# Allegro board Mic_Array_main_250pcs_release.brd (continued)
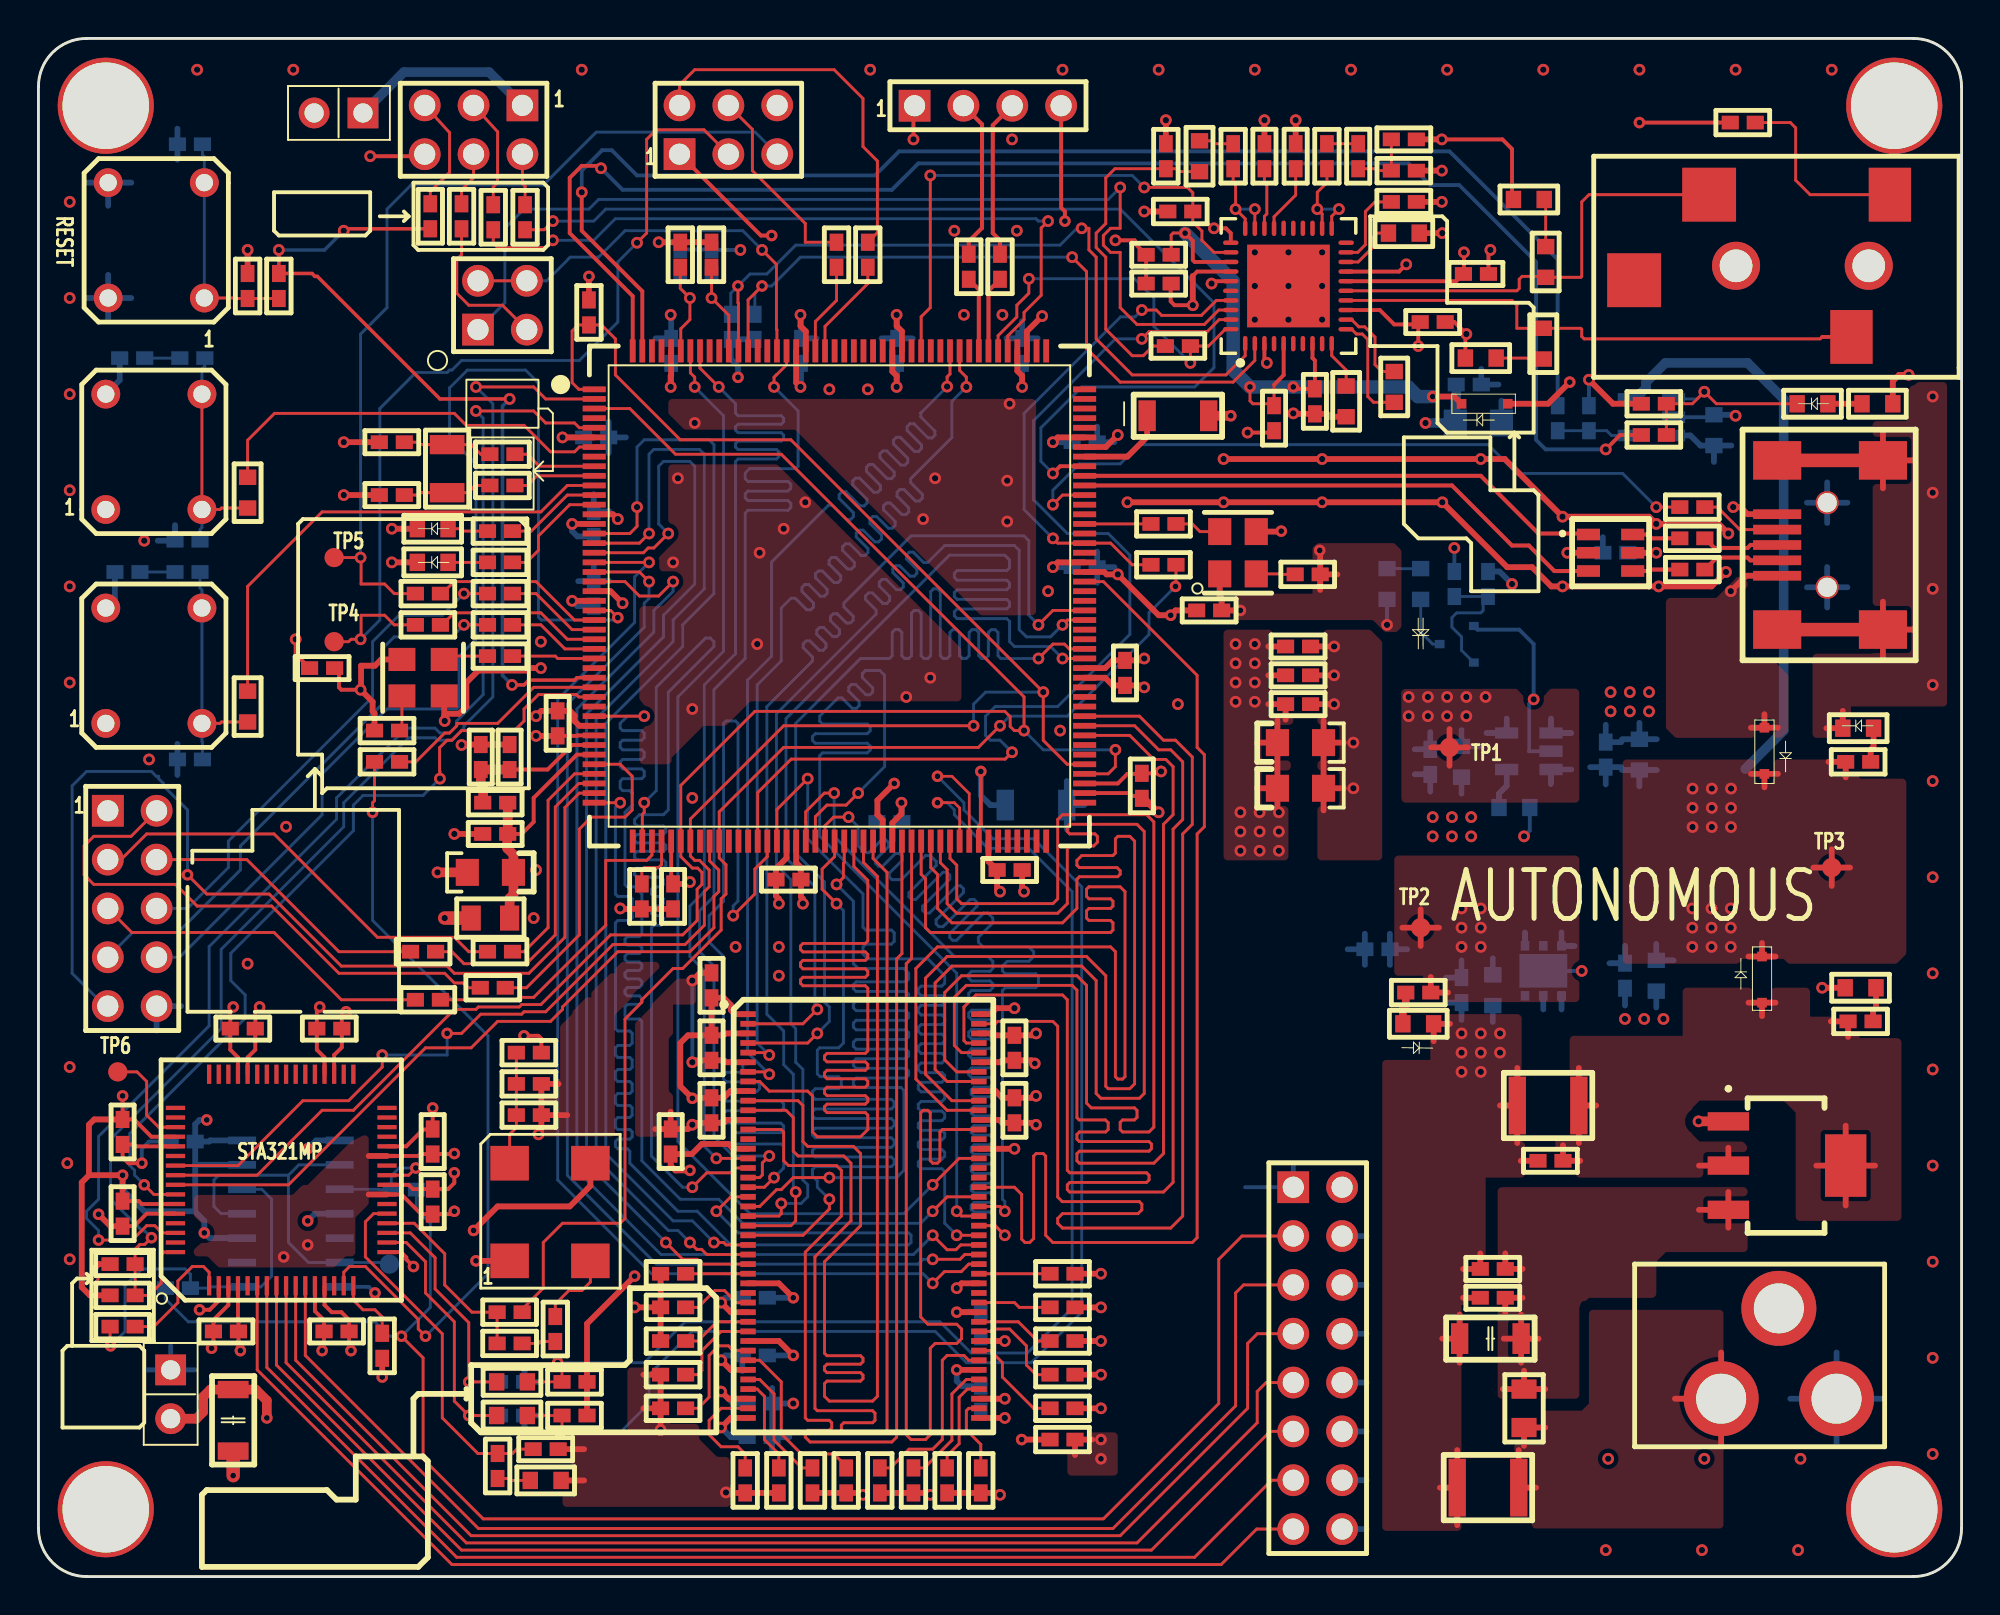
[diagram p0: board, top side]
## Footprints (pads in the part's own frame, mm; a bottom-side part is the same pattern mirrored in y, then rotated) (continued)
OSC112896
  rect 1.8x2 smd: 1(0,0) 2(5.08,0) 3(5.08,4.2) 4(0,4.2)
PUSHBUTTON_4_09
  round 1.5 hole 0.9: 1(-3,2.5) 2(-3,-2.5) 3(3,-2.5) 4(3,2.5)
QFN_40_6X6
  oval 0.8x0.23 smd: 1(-3,2.25) 2(-3,1.75) 3(-3,1.25) 4(-3,0.75) 5(-3,0.25) 6(-3,-0.25) 7(-3,-0.75) 8(-3,-1.25) 9(-3,-1.75) 10(-3,-2.25) 21(3,-2.25) 22(3,-1.75) 23(3,-1.25) 24(3,-0.75) 25(3,-0.25) 26(3,0.25) 27(3,0.75) 28(3,1.25) 29(3,1.75) 30(3,2.25)
  oval 0.23x0.8 smd: 11(-2.25,-3) 12(-1.75,-3) 13(-1.25,-3) 14(-0.75,-3) 15(-0.25,-3) 16(0.25,-3) 17(0.75,-3) 18(1.25,-3) 19(1.75,-3) 20(2.25,-3) 31(2.25,3) 32(1.75,3) 33(1.25,3) 34(0.75,3) 35(0.25,3) 36(-0.25,3) 37(-0.75,3) 38(-1.25,3) 39(-1.75,3) 40(-2.25,3)
  rect 4.3x4.3 smd: 41(0,0)
RES_SMD_0402
  rect 0.889x0.711 smd: 1(-0.65,0) 2(0.65,0)
RES_SMD_0603
  rect 0.8x0.9 smd: 1(-0.8,0) 2(0.8,0)
SOT23
  rect 0.508x0.432 smd: 1(-0.889,0.94) 2(-0.889,-0.965) 3(0.889,0)
SOT23_6L
  rect 0.6x1.2 smd: 1(-0.95,-1.15) 2(0,-1.15) 3(0.95,-1.15) 4(0.95,1.15) 5(0,1.15) 6(-0.95,1.15)
SOT235L
  rect 0.6x1.2 smd: 1(-0.9,1.15) 2(0.05,1.15) 3(1,1.15) 4(-0.9,-1.15) 5(1,-1.15)
SOT_223
  rect 0.95x2.15 smd: 1(-2.3,-3) 2(0,-3) 3(2.3,-3)
  rect 3.25x2.15 smd: 4(0,3.1)
STA321
  rect 0.22x1 smd: 1(0,-0.5) 2(0.5,-0.5) 3(1,-0.5) 4(1.5,-0.5) 5(2,-0.5) 6(2.5,-0.5) 7(3,-0.5) 8(3.5,-0.5) 9(4,-0.5) 10(4.5,-0.5) 11(5,-0.5) 12(5.5,-0.5) 13(6,-0.5) 14(6.5,-0.5) 15(7,-0.5) 16(7.5,-0.5) 33(7.5,10.5) 34(7,10.5) 35(6.5,10.5) 36(6,10.5) 37(5.5,10.5) 38(5,10.5) 39(4.5,10.5) 40(4,10.5) 41(3.5,10.5) 42(3,10.5) 43(2.5,10.5) 44(2,10.5) 45(1.5,10.5) 46(1,10.5) 47(0.5,10.5) 48(0,10.5)
  rect 1x0.22 smd: 17(9.25,1.25) 18(9.25,1.75) 19(9.25,2.25) 20(9.25,2.75) 21(9.25,3.25) 22(9.25,3.75) 23(9.25,4.25) 24(9.25,4.75) 25(9.25,5.25) 26(9.25,5.75) 27(9.25,6.25) 28(9.25,6.75) 29(9.25,7.25) 30(9.25,7.75) 31(9.25,8.25) 32(9.25,8.75) 49(-1.75,8.75) 50(-1.75,8.25) 51(-1.75,7.75) 52(-1.75,7.25) 53(-1.75,6.75) 54(-1.75,6.25) 55(-1.75,5.75) 56(-1.75,5.25) 57(-1.75,4.75) 58(-1.75,4.25) 59(-1.75,3.75) 60(-1.75,3.25) 61(-1.75,2.75) 62(-1.75,2.25) 63(-1.75,1.75) 64(-1.75,1.25)
TEST_PAD1
  round 1 smd: 1(0,0)
TSOPII_86_22X12
  rect 0.8x0.3 smd: 1(-6,10.5) 2(-6,10) 3(-6,9.5) 4(-6,9) 5(-6,8.5) 6(-6,8) 7(-6,7.5) 8(-6,7) 9(-6,6.5) 10(-6,6) 11(-6,5.5) 12(-6,5) 13(-6,4.5) 14(-6,4) 15(-6,3.5) 16(-6,3) 17(-6,2.5) 18(-6,2) 19(-6,1.5) 20(-6,1) 21(-6,0.5) 22(-6,0) 23(-6,-0.5) 24(-6,-1) 25(-6,-1.5) 26(-6,-2) 27(-6,-2.5) 28(-6,-3) 29(-6,-3.5) 30(-6,-4) 31(-6,-4.5) 32(-6,-5) 33(-6,-5.5) 34(-6,-6) 35(-6,-6.5) 36(-6,-7) 37(-6,-7.5) 38(-6,-8) 39(-6,-8.5) 40(-6,-9) 41(-6,-9.5) 42(-6,-10) 43(-6,-10.5) 44(6,-10.5) 45(6,-10) 46(6,-9.5) 47(6,-9) 48(6,-8.5) 49(6,-8) 50(6,-7.5) 51(6,-7) 52(6,-6.5) 53(6,-6) 54(6,-5.5) 55(6,-5) 56(6,-4.5) 57(6,-4) 58(6,-3.5) 59(6,-3) 60(6,-2.5) 61(6,-2) 62(6,-1.5) 63(6,-1) 64(6,-0.5) 65(6,0) 66(6,0.5) 67(6,1) 68(6,1.5) 69(6,2) 70(6,2.5) 71(6,3) 72(6,3.5) 73(6,4) 74(6,4.5) 75(6,5) 76(6,5.5) 77(6,6) 78(6,6.5) 79(6,7) 80(6,7.5) 81(6,8) 82(6,8.5) 83(6,9) 84(6,9.5) 85(6,10) 86(6,10.5)
unnamed#2
  round 5 hole 4.5: (3.5,76.5) (3.5,3.5) (96.5,76.5) (96.5,3.5)
XTAL_32MHZ
  rect 1x1.8 smd: 1(-1.25,0) 2(1.25,0)

## Nets
2.5V: C8.1 C11.1 C62.1 C63.1 C64.1 C65.1 C66.1 TP1.1 U1.5(VOUT) U9.13(+VHP) U9.16(VA) U9.34(VD)
3.3V: C13.1 C16.1 C26.2 C100.1 C101.2 D10.2(A) J3.4 J5.1 JP1.2 R14.1 R20.1 R21.1 R22.1 R24.2 R31.1 R36.1 R53.2 R59.2 R66.2 R101.2 R110.2 R111.1 R119.1 TP2.1 U2.4(VO) X2.4(VDD) X3.4(VDD)
3.3V DDR: C69.2 C70.2 C71.2 C76.2 C77.2 C78.2 C79.2 C80.2 C81.2 C82.2 C83.2 C84.2 R110.1 U10.1(VDD0) U10.3(VDDQ0) U10.9(VDDQ1) U10.15(VDD1) U10.29(VDD2) U10.35(VDDQ2) U10.41(VDDQ3) U10.43(VDD3) U10.49(VDDQ4) U10.55(VDDQ5) U10.75(VDDQ6) U10.81(VDDQ7)
3.3V_STA: C85.1 C86.2 C87.2 C88.2 C90.2 C91.2 C92.2 C93.1 C102.2 J6.1 JP1.1 R96.1 U12.3(VDD1) U12.12(VDD2) U12.24(VDD3) U12.28(VDD4) U12.35(VDD5) U12.44(VDD6) U12.52(VDD7) U12.59(VDD8) U14.1(C\L\R\1\) U14.4(P\R\1\) U14.10(P\R\2\) U14.13(C\L\R\2\) U14.14(3V3) X4.4
3V: C56.2 C57.2 C68.1 D10.1(K) U9.5(VP#5) U9.8(VP#8) U9.33(VL)
5V: C7.1 C9.1 C12.1 C15.1 D4.1(K) D7.1(K) J1.1 JP3.2 R32.2 TP3.1 U1.1(VIN) U1.3(INH) U2.1(EN) U2.6(VI) U11.5(IN)
5V_EXT: C22.1 C23.1 D7.2(A) R29.2 U7.2(VOUT) U7.4(TAB)
12V: C18.1 L1.1 U6.1
GND: C2.2 C3.1 C5.2 C7.2 C8.2 C9.2 C10.2 C11.2 C12.2 C13.2 C14.2 C15.2 C16.2 C17.1 C18.2 C19.2 C20.2 C21.2 C22.2 C23.2 C24.1 C25.1 C26.1 C27.2 C28.2 C29.2 C30.2 C31.2 C32.2 C33.2 C34.2 C35.2 C36.2 C37.2 C38.2 C39.2 C40.2 C41.2 C42.2 C43.2 C44.2 C45.2 C46.2 C47.1 C48.2 C49.2 C50.2 C51.1 C52.2 C53.2 C56.1 C57.1 C58.2 C61.1 C62.2 C63.2 C64.2 C65.2 C66.2 C68.2 C69.1 C70.1 C71.1 C72.2 C73.2 C74.2 C75.2 C76.1 C77.1 C78.1 C79.1 C80.1 C81.1 C82.1 C83.1 C84.1 C85.2 C86.1 C87.1 C88.1 C89.2 C90.1 C91.1 C92.1 C93.2 C100.2 C101.1 C102.1 C103.1 C104.1 D2.1(CATHODE) D3.1(CATHODE) D6.1(CATHODE) D8.1(CATHODE) D9.1(CATHODE) J1.10 J2.6 J3.1 J5.6 J6.4 J6.6 J6.8 J6.10 J6.12 J6.14 J6.16 Q1.1(E) R9.2 R19.2 R33.1 R52.2 R55.2 R57.2 R68.1 R69.1 R70.1 R71.1 R72.1 R73.1 R74.1 R75.1 R76.1 R77.1 R78.1 R79.1 R80.1 R81.1 R82.1 R83.1 R84.1 R85.1 R86.1 R87.1 R90.2 R91.2 R92.2 R93.2 R99.1 R102.2 R114.1 SW3.2 SW3.3 U1.2(GND) U2.2(GND1) U2.7(GND2) U4.5(GND) U4.6(SHIELD1) U4.7(SHIELD2) U4.8(SHIELD3) U4.9(SHIELD4) U4.10(SHIELD5) U4.11(SHIELD6) U5.2(GND) U6.2 U7.1(GND) U8.14(VSS1) U8.22(VSS2) U8.37(VSSA) U8.61(VSS3) U8.71(VSS4) U8.90(VSS5) U8.102(VSS6) U8.113(VSS7) U8.126(VSS8) U8.135(VSS9) U8.148(VSS10) U8.158(VSS11) U9.3(AD0) U9.17(AGND) U9.31(SPKR/HP) U9.35(DGND) U9.41(GND/THERMAL PAD) U10.6(VSSQ0) U10.12(VSSQ1) U10.32(VSSQ2) U10.38(VSSQ3) U10.44(VSS0) U10.46(VSSQ4) U10.52(VSSQ5) U10.58(VSS1) U10.72(VSS2) U10.78(VSSQ6) U10.84(VSSQ7) U10.86(VSS3) U11.2(GND) U12.2(RESERVED(GND)) U12.4(GND1) U12.13(GND2) U12.17(SA) U12.23(GND3) U12.27(GND4) U12.36(GND5) U12.45(GND6) U12.53(GND7) U12.60(GND8) U14.7(GND) X2.2(GND) X3.2(GND) X4.2
VCC: J2.1 JP3.1
VDD: C27.1 C28.1 C29.1 C30.1 C31.1 C32.1 C33.1 C34.1 C35.1 C36.1 C37.1 C38.1 C39.1 C40.1 C41.1 C42.1 C43.1 C44.1 C45.1 C48.1 C49.1 L2.1 R3.2 R11.2 R66.1 R97.2 R98.2 R116.2 R117.2 SW1.1 SW1.4 SW2.1 SW2.4 U8.6(VBAT) U8.15(VDD1) U8.23(VDD2) U8.36(VDD3) U8.49(VDD4) U8.62(VDD5) U8.72(VDD6) U8.82(VDD7) U8.91(VDD8) U8.103(VDD9) U8.114(VDDUSB) U8.127(VDD10) U8.136(VDD11) U8.149(VDD12) U8.159(VDD13) U8.172(VDD14)
VDDA: C50.1 C51.2 L2.2 R67.2 U8.39(VDDA)
BICKO: R119.2 U8.1(PE2/SPI4_SCK) U8.51(PA5/BICKO) U8.93(PB13/I2S2_CK) U12.55(BIKO)
CKOUT: R107.1 U12.25(CKOUT) U14.3(CLK1)
CKOUT_4: R105.2 R106.1 U14.8(2Q\) U14.12(D2)
FMC_A0: U8.16(PF0) U10.25(A0)
FMC_A1: U8.17(PF1) U10.26(A1)
FMC_A2: U8.18(PF2) U10.27(A2)
FMC_A3: U8.19(PF3) U10.60(A3)
FMC_A4: U8.20(PF4) U10.61(A4)
FMC_A5: U8.21(PF5) U10.62(A5)
FMC_A6: U8.60(PF12) U10.63(A6)
FMC_A7: U8.63(PF13) U10.64(A7)
FMC_A8: U8.64(PF14) U10.65(A8)
FMC_A9: U8.65(PF15) U10.66(A9)
FMC_A10: U8.66(PG0) U10.24(A10)
FMC_A11: U8.67(PG1) U10.21(A11)
FMC_BA0: U8.108(PG4) U10.22(BA0)
FMC_BA1: U8.109(PG5) U10.23(BA1)
FMC_D0: U8.104(PD14) U10.2(DQ0)
FMC_D1: U8.105(PD15) U10.4(DQ1)
FMC_D2: U8.142(PD0) U10.5(DQ2)
FMC_D3: U8.143(PD1) U10.7(DQ3)
FMC_D4: U8.68(PE7) U10.8(DQ4)
FMC_D5: U8.69(PE8) U10.10(DQ5)
FMC_D6: U8.70(PE9) U10.11(DQ6)
FMC_D7: U8.73(PE10) U10.13(DQ7)
FMC_D8: U8.74(PE11) U10.74(DQ8)
FMC_D9: U8.75(PE12) U10.76(DQ9)
FMC_D10: U8.76(PE13) U10.77(DQ10)
FMC_D11: U8.77(PE14) U10.79(DQ11)
FMC_D12: U8.78(PE15) U10.80(DQ12)
FMC_D13: U8.96(PD8) U10.82(DQ13)
FMC_D14: U8.97(PD9) U10.83(DQ14)
FMC_D15: U8.98(PD10) U10.85(DQ15)
FMC_NBL0: U8.169(PE0) U10.16(DQM0)
FMC_NBL1: U8.170(PE1) U10.71(DQM1)
FMC_SDCKE0: U8.35(PC3) U10.67(CKE)
FMC_SDCLK: U8.112(PG8) U10.68(CLK)
FMC_SDNCAS: U8.160(PG15) U10.18(CAS#)
FMC_SDNE0: U8.44(PH3) U10.20(CS#)
FMC_SDNRAS: U8.59(PF11) U10.19(RAS#)
FMC_SDNWE: U8.46(PH5) U10.17(WE#)
I2C2_SCL: R12.1 R116.1 U8.79(PB10/I2C2_SCL)
I2C2_SDA: R13.2 R117.1 U8.80(PB11/I2C2_SDA)
I2S2_CKIN: R115.1 X3.3(OUT)
LED_USER1: R64.2 U8.12(PI10)
LED_USER2: R65.2 U8.13(PI11)
LRCKO: U8.3(PE4) U8.50(PA4) U8.92(PB12) U12.56(LRCKO)
MCLK: R95.2 R104.2 U8.54(PC4)
MIC_CK: J6.3 R106.2 R107.2
MIC_DATA1: J6.5 U12.11(PDMIN_1)
MIC_DATA2: J6.7 U12.10(PDMIN_2)
MIC_DATA3: J6.9 U12.9(PDMIN_3)
MIC_DATA4: J6.11 U12.8(PDMIN_4)
MIC_DATA5: J6.13 U12.7(PDMIN_5)
MIC_DATA6: J6.15 U12.6(PDMIN_6)
NRST: R5.2 R16.1 U8.31(NRST)
OSC25M: R49.1 X2.3(OUT)
OSC32_IN: R34.2 U8.9(PC14- OSC32_I N(PC14))
OSC32_OUT: R35.2 U8.10(PC15- OSC32_ OUT(PC15))
OSC_CLK: R100.2 R103.2
OTG_FS_OVERCURRENT: R23.2 U8.176(PI7)
OTG_FS_POWERSWITCHON: R25.1 U8.175(PI6)
PA0: J1.2 R37.1
PA1: J1.3 R40.1
PA2: J1.4 R41.1
PA3: J1.5 R43.1
PA15: R89.2 U8.138(PA15(JT DI)) U9.40(LRCK)
PB2: U8.58(PB2) U9.39(SDIN)
PB3: JP2.1 U9.38(SCLK)
PB6: R97.1 U8.164(PB6/I2C1_SCL) U9.2(SCL)
PB7: R98.1 U8.165(PB7/I2C1_SDA) U9.1(SDA)
PC7: R95.1 U8.116(PC7) U9.37(MCLK)
PC10: R8.1 U8.139(PC10)
PC11: R10.1 U8.140(PC11)
PC12: U8.141(PC12)
PD4: R87.2 U8.146(PD4) U9.32(R\E\S\E\T\)
PDM_CLK: R105.1 U12.1(PDM_CLK)
PF6: J1.8 U8.24(PF6)
PF8: J1.6 R61.2
PF10: J1.7 R63.2
PH2: J1.9 U8.43(PH2)
PI8: R18.1 U8.7(PI8)
PI9: R7.1 U8.11(PI9)
PWDN: C89.1 R96.2 U8.2(PE3) U12.64(P\W\D\)
SDO_12: U8.53(PA7/SDO12) U12.57(SDO_12)
SDO_34: U8.33(PC1) U12.58(SDO_34)
SDO_56: U8.5(PE6/SPI4_MISO) U12.62(SDO_56)
SPI5_CK: J5.5 R54.2 TP5.1
SPI5_MOSI: J5.3 R56.2 TP4.1
SPI6_CK: J5.2 R44.2
SPI6_MOSI: J5.4 R46.2
STA_RESET: R118.2 U12.15(R\E\S\E\T\)
SWCLK: R2.2 U8.137(PA14(JT CK- SWCLK))
SWDIO: R1.2 U8.124(PA13(JTMS-SWDIO))
SWO: JP2.3 R4.2
U5V_USB: C14.1 C17.2 D4.2(A) R30.1 U4.1(VCC) U5.5(VBUS) U11.1(OUT)
UART4_RX: J3.2 R10.2
UART4_TX: J3.3 R8.2
USB_FS1_N: R26.1 U4.2(D+)
USB_FS1_P: R27.1 U4.3(D-)
USB_OTG_FS_DM: U5.3(I2) U8.122(PA11)
USB_OTG_FS_DP: U5.1(I1) U8.123(PA12)
USB_OTG_FS_ID: R28.2 U8.121(PA10)
VREF: C52.1 C53.1 R67.1 U8.38(VREF+)
XTI: R103.1 R104.1 U12.20(XTI)
N115879: C24.2 R34.1 X1.2
N115893: C25.2 R35.1 X1.1
N117103: R36.2 X2.1(EN)
N162834: R52.1 R53.1 U8.166(BOOT)
N163230: R57.1 R59.1 U8.171(PDR_ON)
N206390: JP2.2 JP2.4 U8.161(PB3/I2S3_CK)
N226705: C10.1 U1.4(BYPASS)
N233294: D2.2(ANODE) R24.1
N238541: D5.1(CATHODE) Q1.3(C)
N238552: Q1.2(B) R30.2 R33.2
N238566: D5.2(ANODE) R31.2
N241763: R26.2 U5.4(O1)
N241767: R27.2 U5.6(O2)
N242760: R28.1 U4.4(ID)
N248007: C55.2 CN1.2 U9.15(HP/LINE_OUTA)
N248035: C54.2 CN1.3 U9.14(HP/LINE_OUTB)
N248189: CN1.1 R84.2
N248225: R88.1 U9.29(AIN1A) U9.30(AIN1B)
N248229: C60.1 R88.2
N248233: C60.2 R89.1 R92.1
N248303: C58.1 U9.10(-VHPFILT)
N248307: C59.1 U9.11(FLYN)
N248311: C59.2 U9.12(FLYP)
N248571: C54.1 R75.2
N248575: C55.1 R76.2
N248601: R94.1 U9.21(AIN4A) U9.22(AIN4B)
N248611: C67.1 R94.2
N248615: C61.2 C67.2 R93.1
N248679: C75.1 U9.19(VQ)
N248687: C74.1 U9.28(AFILTB)
N248695: C73.1 U9.27(AFILTA)
N248703: C72.1 U9.18(FILT+)
N260798: C46.1 U8.125(VCAP_2)
N260805: C47.2 U8.81(VCAP_1)
N264179: D1.1(CATHODE) R21.2 R23.1 U11.3(F\A\U\L\T\)
N264257: D1.2(ANODE) R20.2
N265526: R22.2 R25.2 U11.4(E\N\)
N266142: D6.2(ANODE) R32.1
N294693: R55.1 U8.48(BYPASS_REG)
N298204: R49.2 U8.29(PH0- OSC_IN( PH0))
N307670: R54.1 U8.25(PF7)
N313164: R40.2 U8.41(PA1)
N313168: R41.2 U8.42(PA2)
N313176: R43.2 U8.47(PA3)
N314492: R61.1 U8.26(PF8)
N314496: R56.1 U8.27(PF9)
N314500: R63.1 U8.28(PF10)
N343193: R37.2 U8.40(PA0- WKUP(P A0))
N345423: C1.2 R7.2 R9.1 SW1.2 SW1.3
N345707: C1.1 R3.1
N346106: C4.2 R18.2 R19.1 SW2.2 SW2.3
N346154: C4.1 R11.1
N347566: D8.2(ANODE) R64.1
N347570: D9.2(ANODE) R65.1
N380637: C19.1 C20.1 C21.1 L1.2 U7.3(VIN)
N384702: D3.2(ANODE) R29.1
N392150: C5.1 R14.2 R16.2 SW3.1 SW3.4
N398183: C2.1 R12.2 U12.19(SCL)
N398229: C3.2 R13.1 U12.18(SDA)
N401733: R44.1 U8.156(PG13)
N401749: R46.1 U8.157(PG14)
N404005: R90.1 U10.59(DQM3)
N404009: R91.1 U10.28(DQM2)
N414682: R85.2 U10.33(DQ17)
N414689: R83.2 U10.34(DQ18)
N414717: R82.2 U10.36(DQ19)
N414729: R81.2 U10.37(DQ20)
N414741: R80.2 U10.39(DQ21)
N414753: R79.2 U10.40(DQ22)
N414765: R78.2 U10.42(DQ23)
N414777: R77.2 U10.45(DQ24)
N414789: R74.2 U10.47(DQ25)
N414891: R86.2 U10.31(DQ16)
N414986: R73.2 U10.48(DQ26)
N414998: R72.2 U10.50(DQ27)
N415010: R71.2 U10.51(DQ28)
N415031: R70.2 U10.53(DQ29)
N415042: R69.2 U10.54(DQ30)
N415068: R68.2 U10.56(DQ31)
N500901: J2.2 R1.1
N500913: J2.3 R2.1
N500925: J2.4 R4.1
N500937: J2.5 R5.1
N801153: R99.2 R101.1 R102.1 X4.1
N801177: R100.1 X4.3
N846467: R111.2 X3.1(EN)
N856976: TP6.1 U12.51(EAPD)
N860674: C103.2 R112.2 U12.21(PLLF)
N860799: C104.2 R112.1
N867055: R114.2 U12.16(RESERVED1(GND))
N892239: R115.2 U8.118(PC9)
N898566: TP7.1 U14.2(D1) U14.6(Q\1\) U14.11(CLK2)
N941023: R118.1 U8.32(PC0)

Pads without a net: CN1 4; J6 2; U2 3 5; U6 3; U8 4 8 30 34 45 52 55 56 57 83 84 85 86 87 88 89 94 95 99 100 101 106 107 110 111 115 117 119 120 128 129 130 131 132 133 134 144 145 147 150 151 152 153 154 155 162 163 167 168 173 174; U9 4 6 7 9 20 23 24 25 26 36; U10 14 30 57 69 70 73; U12 5 14 22 26 29 30 31 32 33 34 37 38 39 40 41 42 43 46 47 48 49 50 54 61 63; U14 5 9

## Via types
v1: diameter 0.6, hole 0.3, TOP to BOTTOM, 84 vias
v2: diameter 0.61, hole 0.33, TOP to BOTTOM, 380 vias

## Routing (per net, layer and track width the routed paths; a pad name or vN(x,y) marks a point on that pad's centre or on a via; arc(x,y) is an arc through that point)
2.5V: length 31.2
  TOP w0.2: v2(60.03,66.12) 59.08,66.12 58.88,66.33 58.88,67.22 C62.1 ; 60.03,67.65 60.25,67.88 U9.34 ; U9.13 69.75,65.88 70.5,65.12 71.72,65.12 71.75,65.15 ; 71.75,65.15 v2(71.75,64) ; 71.75,65.15 C65.1 ; v2(74.12,68.88) 74.12,67.78 C63.1 73.72,67.38 U9.16
  TOP w0.3: TP1.1 73.38,44.08 ; TP1.1 74.33,43.12 ; TP1.1 72.42,43.12 ; TP1.1 73.38,42.17 ; 60.03,67.65 v2(60.03,66.12)
  BOTTOM w0.3: 76.35,44.63 U1.5 75.3,43.88 ; 71.57,43.03 C11.1 72.38,43.92 ; 74,44.03 C8.1 74.9,43.17
  BOTTOM w0.5: C66.1 73.72,61.27 73.67,61.22 C64.1 v2(72.12,60)
  vias: v2(71.25,45.75) v2(71.25,44.75) v2(72.25,45.75) v2(72.25,44.75) v2(73.25,45.75) v2(73.25,44.75) v2(74.25,45.75) v2(74.25,44.75) v2(75.25,45.75)
3.3V: length 66.1
  TOP w0.2: J3.4 53.18,71.2 53.38,71 v1(53.38,70.5) ; C26.2 15.62,47.03 15.62,46.25 15.75,46.12 v2(16.75,46.12) ; v1(38.12,69.75) 37.56,69.75 J5.1 ; R101.2 26.15,27.97 26,28.12 v1(25.25,28.12)
  TOP w0.3: D10.2 78.5,61 v1(79.62,62.12) ; 71.88,32.8 TP2.1 ; TP2.1 72.83,33.75 ; TP2.1 71.88,34.7 ; TP2.1 70.92,33.75 ; 66.65,51.32 R111.1 ; R111.1 67.55,52.12 ; R111.1 66.65,53.35 v1(66.62,53.38) ; 62.42,50.25 C101.2 61.53,50.88 61.42,50.98 X3.4 ; X2.4 17.82,47.7 17.5,47.38 16.78,47.38 16.78,46.15 v2(16.75,46.12) 17.38,45.5 17.38,45 17.47,44.9 R36.1 ; 54.8,7.12 R110.2 53.9,6.32 ; v2(80.62,62.25) 81.88,61 R21.1 ; 72.4,31.18 R24.2 73.3,30.38 ; v2(97.25,62.5) 96.75,62.5 96.42,62.17 R20.1 ; R14.1 v2(10.88,69) ; R119.1 v1(28.62,67.62)
  TOP w0.5: JP1.2 8.21,8.21 8.56,8.56 8.56,9.31 8.55,9.33 8.94,9.72 C100.1 11.3,9.72 11.88,9.15 v1(11.88,8.25) ; J5.1 33.34,74.23
  BOTTOM w0.2: R22.1 v2(80.62,62.25) ; v2(70.12,49.5) R31.1 ; R59.2 R53.2 35.03,69 v2(36.5,69)
  BOTTOM w0.3: 73.19,31.15 C13.1 74,32.05 ; R66.2 70.28,33.43 ; R66.2 71.17,32.62 ; R66.2 70.28,31.82 ; U2.4 77.3,33.5 ; C16.1 75.62,32.15
  vias: v1(55.25,7.12) v1(55.25,6.12) v1(62.5,50.25) v2(74,34.75) v2(74,33.75) v2(74,32.75) v2(75,34.75) v2(75,33.75) v2(75,32.75)
3.3V DDR: length 47.7
  TOP w0.3: U10.41 35.88,9.25 v1(35.5,9.62) ; U10.35 38.5,12.25 v1(39.25,11.5) ; v1(51.81,26.69) 51.65,26.85 C81.2 50.12,26.85 50.02,26.75 U10.81 ; v1(51.88,23.5) 51.78,23.6 C84.2 50.12,23.6 49.97,23.75 U10.75 ; C69.2 33.78,28.15 33.38,27.75 33.38,25.5 v1(34,24.88) 34.03,24.9 C82.2 35.63,24.9 35.98,25.25 U10.9 ; C69.2 C80.2 35.63,30.1 36,29.73 36,29.47 36.22,29.25 U10.1 ; C69.2 35.63,28.15 35.73,28.25 U10.3 ; R110.1 v1(51.12,7.12) ; v1(33.88,21.12) 33.12,21.12 32.88,21.38 C83.2 33.97,21.97 34.5,22.5 35.88,22.5 36.12,22.25 U10.15 ; U10.49 v1(47.75,10.75) ; U10.55 v1(47.75,13.75) ; v1(39.25,14.5) 38.5,15.25 U10.29 ; v1(35.5,7.75) 36,8.25 U10.43
  BOTTOM w0.3: C77.2 v1(39.25,14.5) ; C78.2 48.02,9.9 47.75,10.17 v1(47.75,10.75) ; C79.2 48.35,13.78 48.33,13.75 v1(47.75,13.75) ; C70.2 36,7.25 v1(35.5,7.75) ; C76.2 v1(39.25,11.5) ; C71.2 36.12,9 v1(35.5,9.62)
  vias: v2(36.25,32.75) v2(38.5,32.75) v2(38.5,31.25)
3.3V_STA: length 85.5
  TOP w0.2: U12.52 5.88,22.88 4.97,23.78 C91.2 v1(4.38,25) ; C92.2 5.22,19.53 5.38,19.38 U12.59 ; U12.3 9.88,14.12 9.1,13.35 C85.1 9.1,11.97 v1(9,11.88) ; U12.12 14.38,13.81 14.85,13.33 C93.1 14.85,11.85 v1(14.75,11.75) ; v1(11.5,29.62) 11.28,29.4 C90.2 11.28,27.4 10.88,27 U12.44 ; v1(20.5,24.38) C88.2 20.47,23.25 20,23.25 19.12,22.38 U12.28 ; v1(21.62,21) 21.62,20.47 21.3,20.15 C87.2 19.47,20.15 19.25,20.38 U12.24 ; U12.35 15.38,27.12 15.78,27.53 C86.2 15.78,29.4 15.88,29.4 15.88,29.38 v1(16,29.38)
  TOP w0.3: 2.62,20.88 v1(4.38,20.88) C92.2 ; 2.62,20.88 2.25,20.5 2.25,15.05 2.67,14.62 R96.1 ; 2.62,20.88 2.62,23.5 2.9,23.78 C91.2 ; v1(22.62,18) 23.88,19.25 27.63,19.25 28.7,20.32 X4.4
  INT_LAYER3 w0.25: 8.08,10.75 JP1.1 6.88,11.95
  BOTTOM w0.2: J6.1 62.75,20.25
  BOTTOM w0.25: 5.62,10.75 JP1.1 ; JP1.1 8.13,10.75 ; JP1.1 6.88,12 ; J6.1 65.25,21.53
  BOTTOM w0.3: 8.15,21.41 8.15,19 8.12,19 ; 8.15,21.41 C102.2 ; 8.15,21.41 U14.13 ; 8.12,19 5.5,19 4.38,20.12 v1(4.38,20.88) ; 8.12,19 8.62,18.5 v1(8.62,17.88) 8.89,17.61 U14.10 ; v1(8.75,23.75) 8.38,23.75 8.15,23.53 C102.2 ; C102.2 8.87,22.62 8.93,22.68 U14.14 ; U14.1 14.44,22.68 v1(14,22.25) ; U14.4 14.38,18.88 v1(14,18.5)
3V: length 35.2
  TOP w0.15: v1(59.62,69.88) 59.62,69.88 59.01,69.88 58.9,69.78 C68.1 ; 64.25,61.99 C56.2 64.15,61 63.15,61 63,61.15 v1(63,61.88)
  TOP w0.2: 64.25,61.99 64.75,62.49 U9.5 ; v1(59.62,69.88) 60.03,69.47 60.03,68.47 60.12,68.38 U9.33 ; v1(65.25,61.88) 65.35,61.78 C57.2 66.38,63.25 66.25,63.38 U9.8
  TOP w0.3: D10.1 73.62,61.38 v1(72.5,61.38)
  BOTTOM w0.7: v1(72.5,61.38) 71.72,61.38 71.22,61.88 v1(65.25,61.88) v1(63,61.88) 62.12,62.75 62.12,67.38 v1(59.62,69.88)
5V: length 60
  TOP w0.3: 93.25,35.92 TP3.1 ; TP3.1 92.3,36.88 ; TP3.1 93.25,37.83 ; TP3.1 94.2,36.88 ; D7.1 89.62,32.95 ; D7.1 88.92,32.25 ; D7.1 90.33,32.25 ; 89.75,41.05 D4.1 ; D4.1 90.45,41.75 ; D4.1 89.05,41.75 ; 93.08,42.38 R32.2 93.97,41.57
  INT_LAYER3 w0.3: 14.34,74.92 JP3.2 ; JP3.2 14.34,77.33 ; JP3.2 13.13,76.12 ; 3.6,41.11 J1.1 2.33,39.83
  BOTTOM w0.3: 81.69,31.9 C15.1 82.5,32.8 ; 85.03,32.05 C12.1 84.12,32.9 ; 82.35,41.95 C7.1 ; C7.1 84.15,41.95 ; C7.1 83.25,41.1 ; 79.88,32.8 U2.6 79.2,33.5 ; 79.2,29.5 U2.1 ; 78.65,44.63 U1.3 79.7,43.88 ; 78.65,41.22 U1.1 79.7,41.98 ; 80.69,42.1 C9.1 ; C9.1 82.31,42.1 ; C9.1 81.5,41.2
  BOTTOM w0.5: U11.5 83.03,61.25 83.59,61.82 83.59,62.12 84.6,63.12 88.88,63.12 90.75,61.25 90.75,44 88.75,42
  vias: v2(86.01,40.98) v2(86.01,39.98) v2(86.01,38.98) v2(86,34.75) v2(86,33.75) v2(86,32.75) v2(87.01,40.98) v2(87.01,39.98) v2(87.01,38.98) v2(87,34.75) v2(87,33.75) v2(87,32.75) v2(88.01,40.98) v2(88.01,39.98) v2(88.01,38.98) v2(88,34.75) v2(88,33.75) v2(88,32.75)
5V_EXT: length 20
  TOP w0.3: 79.28,22.43 C22.1 80.17,21.62 ; 94.1,28.07 R29.2 93.2,28.88 ; U7.4 93.97,23.45 ; U7.4 93.97,19.3 ; U7.4 95.5,21.38 ; U7.4 92.45,21.38 ; 89.62,29.15 D7.2 ; D7.2 90.33,29.85 ; D7.2 88.92,29.85 ; C23.1 80.1,26.45 ; C23.1 80.1,22.55 ; C23.1 81,24.5 ; 87.88,22.3 U7.2 86.35,21.38
12V: length 12.1
  TOP w0.3: 77.25,6.8 L1.1 78.35,7.75 ; 87.5,6.85 U6.1 ; U6.1 87.5,11.65 ; U6.1 85.1,9.25 ; 76.97,6.58 C18.1 77.88,4.62
GND: length 505.7
  TOP w0.2: v2(26,23) 26,23.04 26.15,23.19 ; U12.4 10.38,13.36 10.4,13.33 C85.2 10.4,11.85 v1(10.5,11.75) ; v1(21.62,19) 21.47,18.85 C87.1 19.9,18.85 18.88,19.88 U12.23 ; v2(17.25,73.88) 19.98,73.88 J2.6 ; v2(75.5,69) 75.4,68.9 C63.2 ; C34.2 28,43.72 28.02,43.75 U8.37 ; U12.45 10.38,27 9.97,27.4 C90.1 9.97,29.47 v1(10.12,29.62) ; U12.36 14.88,27 14.47,27.4 C86.1 14.47,29.47 v1(14.62,29.62) ; v1(16.25,11.75) 16.15,11.85 C93.2 16.15,13.35 15.75,13.75 15.25,13.75 14.88,14.12 U12.13 ; J3.1 45.5,76.44 v2(45.5,74.75) ; U12.60 5.62,18.88 4.97,18.22 C92.1 ; C26.1 13.38,47.97 v2(13.38,48.75) ; 57.4,40.6 56.9,40.6 56.75,40.75 U8.90 ; v1(5.38,21.5) 4.68,21.5 4.38,21.8 C91.1 4.96,22.47 5.06,22.38 U12.53 ; v2(61.12,70.12) 61.75,70.12 62,69.88 U9.31 ; v1(19.5,16.12) 19.13,16.5 19.13,16.6 18.85,16.88 U12.17 ; U12.2 9.38,14.35 8.9,13.88 v1(8.38,13.88) ; v2(71.12,68.25) 70.75,67.88 U9.17 ; v2(56,69.5) 57,69.5 57,69.35 C68.2 C62.2 ; v2(63.88,63.12) 63.75,63.25 U9.3 ; R75.1 74.2,64.58 v2(74.25,64.62) 73.62,65.25 C65.2 ; v2(72.98,74.75) 76.12,74.75 76.62,74.25 76.62,71.7 R76.1 ; v2(62.88,59.5) 64.15,59.5 C56.1 ; v2(58.25,39.75) 58.1,39.75 C42.2 ; U9.35 61.12,67.38 v2(61,67.25) ; U12.27 19.75,21.88 19.85,21.97 C88.1 21.6,21.97 v1(21.62,22) ; R84.1 v1(83.25,75.62)
  TOP w0.3: v2(51.88,28.25) 51.75,28.25 51.65,28.15 C81.1 49.6,28.15 49.5,28.25 U10.84 ; C104.1 28.38,5 ; U8.158 39.9,64.77 39.62,65.04 v2(39.62,65.62) ; 26.15,23.19 R99.1 ; R99.1 27.5,24 ; R99.1 R102.2 27.05,25.62 ; 95.91,56.6 U4.9 ; U4.9 97.62,58.05 ; U4.9 95.91,59.51 ; v2(56.12,59.38) 55.5,58.75 U8.126 ; R91.2 R86.1 ; R86.1 R85.1 ; R86.1 v2(31,14) ; v2(50.75,29.56) 49.81,29.56 49.5,29.25 U10.86 ; v2(56.62,55.88) v2(61.62,55.88) v2(66.75,55.88) v2(73,55.88) 76.38,52.5 77.67,52.5 78.67,51.5 v2(79.25,51.5) v2(84.25,51.5) 87,51.5 v2(87.75,52.25) ; U10.78 49.77,25.25 50.12,24.9 C84.1 51.65,24.9 51.75,25 v2(51.88,25) ; v2(57.5,46.25) 57.4,46.35 C43.2 55.87,46.35 55.47,46.75 U8.102 ; R87.1 v2(57.5,71) ; R68.1 v2(55.25,14) ; v2(58.62,75.75) R92.2 ; v2(63.75,75.75) C74.2 ; U10.32 36,13.75 v2(35.5,14.25) ; v2(35.5,11.25) 36,10.75 U10.38 ; v2(44.62,65.62) 44.62,65.04 44.9,64.77 U8.148 ; C83.1 33.78,23.28 v2(34,23.5) 34.1,23.6 C82.1 35.63,23.6 35.78,23.75 U10.12 ; C83.1 32.88,24.17 ; C83.1 32.07,23.28 ; 76.9,22.55 C23.2 ; C23.2 76,24.5 ; C23.2 76.9,26.45 ; 73.4,28.75 D2.1 72.55,27.85 ; 21.12,44.75 21.1,44.77 X2.2 ; 21.12,44.75 21.25,44.88 21.88,44.88 22.25,45.25 22.25,46.5 22.88,47.12 25.42,47.12 25.54,47.25 v2(26.12,47.25) ; 21.12,44.75 v2(21.12,44.5) ; R71.1 v2(55.25,8.75) ; v2(34,31) 34.4,31.4 C80.1 ; C58.2 67.16,60.33 67.01,60.47 C57.1 65.28,60.47 v2(65.25,60.5) ; v2(46.38,4.25) 46.28,4.35 R73.1 R72.1 ; v2(25.88,43.72) C34.2 ; R74.1 R77.1 49.9,4.35 v2(50,4.25) ; C103.1 28.38,6.62 ; v2(65.38,75.75) C73.2 ; D3.1 v2(92.75,30.62) ; 93.83,45.03 D6.1 92.97,44.12 ; U10.52 v2(50.25,12.25) ; U4.8 97.62,49.25 ; U4.8 95.91,47.8 ; U4.8 95.91,50.71 ; U4.5 88.87,55.25 88.5,55.62 v2(88.12,55.62) ; v1(44.5,41.25) 43.62,40.38 43.62,39.62 43.9,39.35 U8.71 ; R69.1 v2(55.25,12.25) ; C19.2 73.9,13.63 ; C19.2 73.9,11.12 ; C19.2 73,12.38 ; C89.2 3.12,16.25 2.88,16 v1(2.88,15.5) ; 66.83,39.85 C49.2 ; C49.2 67.88,41 ; C49.2 66.83,42.15 ; 77.08,21.62 C22.2 ; R70.1 v2(55.25,10.5) ; v2(35.75,4.38) 35.78,4.35 R78.1 R79.1 ; 31.45,8.75 R82.1 ; R82.1 R83.1 31.45,10.5 ; R82.1 v2(32.35,7.62) ; v1(3.12,18.84) 3.74,18.22 C92.1 ; C39.2 51.15,35.85 51.25,35.75 v2(51.25,35.62) ; C48.2 66.83,44.53 ; C48.2 67.88,43.38 ; C48.2 66.83,42.22 ; v2(34,26.75) 34.1,26.85 C69.1 35.63,26.85 35.73,26.75 U10.6 ; R114.1 v1(17.88,10.38) ; C61.1 v2(72.98,74.75) ; 72.87,4.62 C18.2 ; C18.2 73.78,6.58 ; C18.2 73.78,2.67 ; v2(30.12,55) 29.88,55.25 U8.14 ; C75.2 v2(72.98,71.5) ; X3.2 64.6,54.35 v1(64.62,54.38) ; v2(22,43.25) 22.03,43.28 C53.2 C52.2 ; U5.2 v2(79.5,53.25) ; U10.46 v2(50.25,9.25) ; U8.22 29.75,51.25 v2(30.38,50.62) ; U10.58 48,15.25 v2(47.75,15) ; C29.2 67.05,45.38 ; U8.113 55.42,52.25 55.54,52.12 v2(56.12,52.12) 58.25,50 v1(58.88,50) 59.12,50.25 C101.1 ; U10.44 v2(50.25,8.25) ; R52.2 R57.2 v2(32.25,69.4) ; 57.4,40.6 v2(58.25,39.75) ; v2(38.5,35) 38.5,35.25 38.35,35.4 C38.2 38.35,36.82 38.9,37.37 U8.61 ; 17.17,19.88 U12.23 ; C41.2 R55.2 30.28,34.72 v2(30.25,34.75) ; 17.17,21.88 U12.27 ; C25.1 v2(15.88,56.25) ; 74.08,14.5 C21.2 ; C28.2 67.05,48.38 ; R93.2 v2(72.98,73.12) ; v2(42.88,4.25) 42.75,4.25 42.65,4.35 R81.1 R80.1 ; C27.2 67.05,46.88 ; 74.97,16.81 C20.2 74.08,16 ; v2(61.62,58.12) v2(66.75,58.12) v2(75,58.12) 76.25,58.12 v2(79.25,55.12) 83.75,55.12 v2(84.12,54.75) 87.38,54.75 v2(87.88,54.25) ; C24.1 v2(15.88,59) ; v2(52.19,65.56) 51.4,64.77 U8.135 ; C51.1 v2(21.62,38.62) ; R90.2 v2(55.25,15.75) ; X4.2 v1(22.75,16.42) ; D9.1 v2(18.38,52.75) ; C72.2 v2(73,69.88) ; U10.72 v2(50.75,22.25) ; D8.1 v2(18.38,54.5)
  TOP w0.5: C46.2 v1(62,60.38) ; C50.2 v2(20.75,36.62) ; U7.1 v2(86.33,23.68)
  TOP w0.7: C100.2 v1(10.12,5.25) ; U4.6 U4.9 ; U4.7 U4.8
  INT_LAYER2 w0.3: U4.10 94.07,55.85 ; U4.10 93.01,54.8 ; U4.10 91.96,55.85 ; U4.10 93.01,56.91 ; J6.12 69.07,7.55 ; SW3.2 4.73,72.5 ; SW3.2 2.52,72.5 ; SW3.2 3.62,71.4 ; SW3.3 4.73,66.5 ; SW3.3 3.62,65.4 ; SW3.3 2.52,66.5 ; SW3.3 3.62,67.6 ; 44.28,76.5 J3.1 ; J3.1 45.56,77.78 ; J3.1 45.56,75.22 ; U4.11 94.07,51.45 ; U4.11 93.01,50.4 ; U4.11 91.96,51.45 ; U4.11 93.01,52.51 ; U6.2 93.5,11.65 ; U6.2 91.1,9.25 ; U6.2 95.9,9.25 ; U6.2 93.5,6.85 ; J6.10 69.07,10.09 ; 39.69,76.52 J5.6 38.41,77.8 ; J6.6 69.07,15.17 ; J6.14 69.07,5.01 ; J6.4 69.07,17.71 ; J6.16 69.07,2.47 ; J6.8 69.07,12.63 ; 6.14,28.39 6.14,29.67 7.42,29.67 ; 20.09,72.7 J2.6 18.81,73.98
  BOTTOM w0.2: C102.1 5.75,22.62 5.38,22.25 v1(5.38,21.5) ; U1.2 77.52,42.92 77.52,45.39 v2(77.75,45.62) 77.75,48.5 77,49.25 74.83,49.25 Q1.1 ; C79.1 49.22,12.25 v2(50.25,12.25) ; v2(34,31) v2(34,26.75) ; C14.2 87,60.3 U11.2 ; C10.2 77.55,38.8 v2(77.25,38.5) ; C30.2 43.6,40.35 v1(44.5,41.25) ; v2(80.25,31.5) U2.7 ; v2(73.62,53.5) R33.1 ; v2(50.25,8.25) 49.35,8.25 C78.1 ; v1(17.5,14.75) 17.18,15.06 U14.7
  BOTTOM w0.3: 2.42,72.5 SW3.2 ; SW3.2 3.62,71.3 ; SW3.2 4.83,72.5 ; 75.62,28.85 C16.2 ; J6.16 69.07,2.47 ; 72.38,40.83 C11.2 71.57,41.72 ; 28.07,51.78 C35.2 ; C35.2 29.68,51.78 ; C35.2 28.88,52.67 ; 7.22,75.31 C5.2 7.22,73.69 ; SW3.3 3.62,67.7 ; SW3.3 4.83,66.5 ; SW3.3 2.42,66.5 ; SW3.3 3.62,65.3 ; 78.25,29.5 U2.2 ; 25.28,10.93 C2.2 26.17,10.12 ; 55.05,59.81 C45.2 55.95,59 ; 38.15,8.19 C71.1 ; C71.1 38.15,9.81 ; C71.1 39.05,9 ; 26.17,8.38 C3.1 25.28,7.57 ; J6.10 69.07,10.09 ; C17.1 81.35,54.06 ; 6.14,28.39 6.14,29.67 7.42,29.67 ; 91.1,9.25 U6.2 ; U6.2 95.9,9.25 ; U6.2 93.5,6.85 ; U6.2 93.5,11.65 ; 74,28.95 C13.2 73.19,29.85 ; 35.7,14.5 C77.1 ; 28.88,56.3 C33.2 29.68,55.4 ; C7.2 84.15,43.55 ; C7.2 82.35,43.55 ; C7.2 83.25,44.4 ; C70.1 39.05,7.25 ; C70.1 38.15,6.44 ; C70.1 38.15,8.06 ; C64.2 76.08,61.15 ; 81.5,44.3 C9.2 82.31,43.4 ; J6.6 69.07,15.17 ; C36.2 29.65,60.06 ; C36.2 29.65,58.44 ; C36.2 30.55,59.25 ; 50.34,64.4 C40.2 ; C40.2 51.96,64.4 ; C40.2 51.15,65.3 ; 91.96,51.45 U4.11 ; U4.11 93.01,52.51 ; U4.11 93.01,50.4 ; U4.11 94.07,51.45 ; 84.12,29.6 C12.2 ; 74,40.72 C8.2 ; 32.09,64.4 C31.2 32.9,65.3 ; 93.01,54.8 U4.10 ; U4.10 93.01,56.91 ; U4.10 91.96,55.85 ; U4.10 94.07,55.85 ; 39.65,65.3 C32.2 40.46,64.4 ; J6.8 69.07,12.63 ; J6.14 69.07,5.01 ; C37.2 45.46,64.4 ; C37.2 43.84,64.4 ; C37.2 44.65,65.3 ; 55.05,51.69 C44.2 ; C44.2 55.05,53.31 ; C44.2 55.95,52.5 ; 7.1,54.68 R19.2 6.2,53.88 ; C47.1 54.38,40.12 ; C47.1 53.48,41.38 ; C47.1 53.48,38.87 ; 36.6,10.69 C76.1 35.7,11.5 ; 75.03,62.81 C66.2 75.92,62 ; C14.2 88.03,60.42 ; 82.5,29.7 C15.2 ; J6.12 69.07,7.55 ; 7.22,43.31 R9.2 7.22,41.69 ; J6.4 69.07,17.71
  vias: v1(12.75,16.62) v1(14,17.25) v2(1.5,21.5) v2(1.62,71.5) v2(1.62,66.5) v2(1.62,61.5) v2(1.62,56.5) v2(1.62,51.5) v2(1.62,46.5) v2(1.62,26.5) v2(1.62,16.5) v2(5.5,53.88) v2(5.75,42.5) v2(8.25,78.38) v2(10.87,31.88) v2(12.88,39) v2(13.25,78.38) v2(25.75,34.25) v2(25.88,36.75) v2(26.12,48.62) v2(28.25,78.38) v2(32.88,65.62) v2(33,52.75) v2(33.25,57.12) v2(34,45.12) v2(34.12,60) v2(37.38,48.5) v2(37.5,53.25) v2(38.75,54.5) v2(39.25,9) v2(39.88,55.88) v2(41.12,61.75) v2(43.12,61.75) v2(43.25,78.38) v2(45.12,45.75) v2(46,55) v2(46.38,46.75) v2(46.62,57.12) v2(47.62,70) v2(48.12,65.62) v2(50.12,65.62) v2(50.38,57) v2(50.38,54.88) v2(50.5,61) v2(50.62,74.75) v2(50.88,70) v2(52.5,51.25) v2(53.12,44) v2(53.25,78.38) v2(58.25,78.38) v2(59.25,45.38) v2(63.25,78.38) v2(63.25,68.88) v2(63.25,67.12) v2(63.25,65.38) v2(65,68.88) v2(65,67.12) v2(65,65.38) v2(66.75,68.88) v2(66.75,67.12) v2(66.75,65.38) v2(67.38,48.38) v2(67.38,46.88) v2(67.38,45.38) v2(68.25,78.38) v2(68.38,43.38) v2(68.38,41) v2(72.5,39.5) v2(72.5,38.5) v2(73.25,78.38) v2(73.5,39.5) v2(73.5,38.5) v2(74,28.25) v2(74,27.25) v2(74,26.25) v2(74.5,39.5) v2(74.5,38.5) v2(75,28.25) v2(75,27.25) v2(75,26.25) v2(76,28.25) v2(76,27.25) v2(78.25,78.38) v2(81.5,1.38) v2(81.62,6.12) v2(81.75,46) v2(81.75,45) v2(82.5,29) v2(82.75,46) v2(82.75,45) v2(83.25,78.38) v2(83.5,29) v2(83.75,46) v2(83.75,45) v2(84.5,29) v2(86.5,1.38) v2(86.62,6.12) v2(88.25,78.38) v2(88.25,60.38) v2(91.5,1.38) v2(91.62,6.12) v2(93.25,78.38) v2(98.5,61.38) v2(98.5,56.38) v2(98.5,51.38) v2(98.5,46.38) v2(98.5,41.38) v2(98.5,36.38) v2(98.5,31.38) v2(98.5,26.38) v2(98.5,21.38) v2(98.5,16.38) v2(98.5,11.38) v2(98.5,6.38)
VCC: length 9.9
  BOTTOM w0.5: JP3.1 19,78.25 23.43,78.25 J2.1
VDD: length 97.6
  TOP w0.2: U8.49 32.9,36.47 33,36.37 C41.1 ; v2(58.38,41.88) 58.28,41.78 C42.1 57.35,41.75 56.62,41.75 56.12,41.25 U8.91
  TOP w0.3: v2(44.88,40.25) 44.88,39.67 44.4,39.19 U8.72 ; U8.159 39.4,62.1 v2(39.62,61.88) ; 63.37,41 C49.1 ; C49.1 64.42,39.85 ; C49.1 64.42,42.15 ; v2(52.75,59) 53,59.25 U8.127 ; v2(32.88,61.88) 32.88,62.46 32.9,62.48 U8.172 ; 64.85,44.57 C29.1 63.95,45.38 ; U8.15 v2(27.75,54.75) ; v2(44.62,61.88) 44.62,62.46 44.4,62.68 U8.149 ; 63.95,48.38 C28.1 ; C41.1 33.78,36.03 v2(33.88,36.12) ; U8.82 49.4,37.2 C39.1 49.85,35.78 v2(50,35.62) ; 63.95,46.88 C27.1 ; v2(57.5,47.75) 57.4,47.65 C43.1 55.87,47.65 55.47,47.25 U8.103 ; U8.6 v2(27.25,59.25) ; U8.136 50.9,62.71 51.15,62.46 v2(51.15,61.88) ; 64.42,42.22 C48.1 ; C48.1 63.37,43.38 ; C48.1 64.42,44.53 ; v2(25.88,44.75) 26.15,45.03 C34.1 27.63,45.03 27.88,44.78 27.88,44.5 28.12,44.25 U8.36 ; U8.62 39.4,37.13 39.65,36.88 C38.1 39.65,35.35 39.75,35.25 v2(39.75,35) ; U8.114 53,52.75 v2(52.75,52.5) ; R117.2 R116.2 28.53,13.15 v1(31,15.62) ; U8.23 v2(27.75,50.75)
  TOP w0.7: L2.1 v2(21.12,34.25)
  INT_LAYER3 w0.3: 2.4,44.38 SW1.1 ; SW1.1 4.6,44.38 ; SW1.1 3.5,43.27 ; SW1.1 3.5,45.48 ; 3.5,49.27 SW1.4 ; SW1.4 2.4,50.38 ; SW1.4 4.6,50.38 ; SW1.4 3.5,51.48 ; 2.4,61.5 SW2.4 ; SW2.4 3.5,60.4 ; SW2.4 3.5,62.6 ; SW2.4 4.6,61.5 ; SW2.1 4.6,55.5 ; SW2.1 3.5,56.6 ; SW2.1 3.5,54.4 ; SW2.1 2.4,55.5
  BOTTOM w0.3: v2(44.88,40.25) 44.9,40.22 C30.1 ; v2(39.62,61.88) 39.65,61.9 C32.1 ; v2(27.75,50.75) 28.03,50.47 C35.1 ; SW2.4 4.22,62.22 R11.2 ; v2(27.75,54.75) 27.75,54.38 28.03,54.1 C33.1 ; C45.1 v2(52.75,59) ; C36.1 v2(27.25,59.25) ; C44.1 v2(52.75,52.5) ; R97.2 R98.2 36,63.33 36.38,62.95 v1(36.38,62.38) ; 68.08,32.62 R66.1 ; R66.1 68.97,31.82 ; R66.1 68.97,33.43 ; v2(32.88,61.88) 32.9,61.9 C31.1 ; C40.1 v2(51.15,61.88) ; R3.2 3.97,50.85 SW1.4 ; v2(44.62,61.88) 44.65,61.9 C37.1
  vias: v2(34,40.5) v2(62.25,48.5) v2(62.25,47.5) v2(62.25,46.5) v2(62.25,45.5) v2(62.5,39.75) v2(62.5,38.75) v2(62.5,37.75) v2(63.25,48.5) v2(63.25,47.5) v2(63.25,46.5) v2(63.25,45.5) v2(63.5,39.75) v2(63.5,38.75) v2(63.5,37.75) v2(64.5,39.75) v2(64.5,38.75) v2(64.5,37.75)
